# Altium PCB FULL_CB_REV_C.PcbDoc (part 2 of 2)
Units mm, origin at the board's own origin, x right, y up, seen from the top; angles counter-clockwise.
Board outline 86.1 x 38.5 mm, 4 copper layers (Top Layer, Signal Layer 2, Signal Layer 1, Bottom Layer), stack 1.643 mm thick; 38 components, 86 nets, 243 pads, 188 vias.
Unrouted connection lines stored in the file: 41.
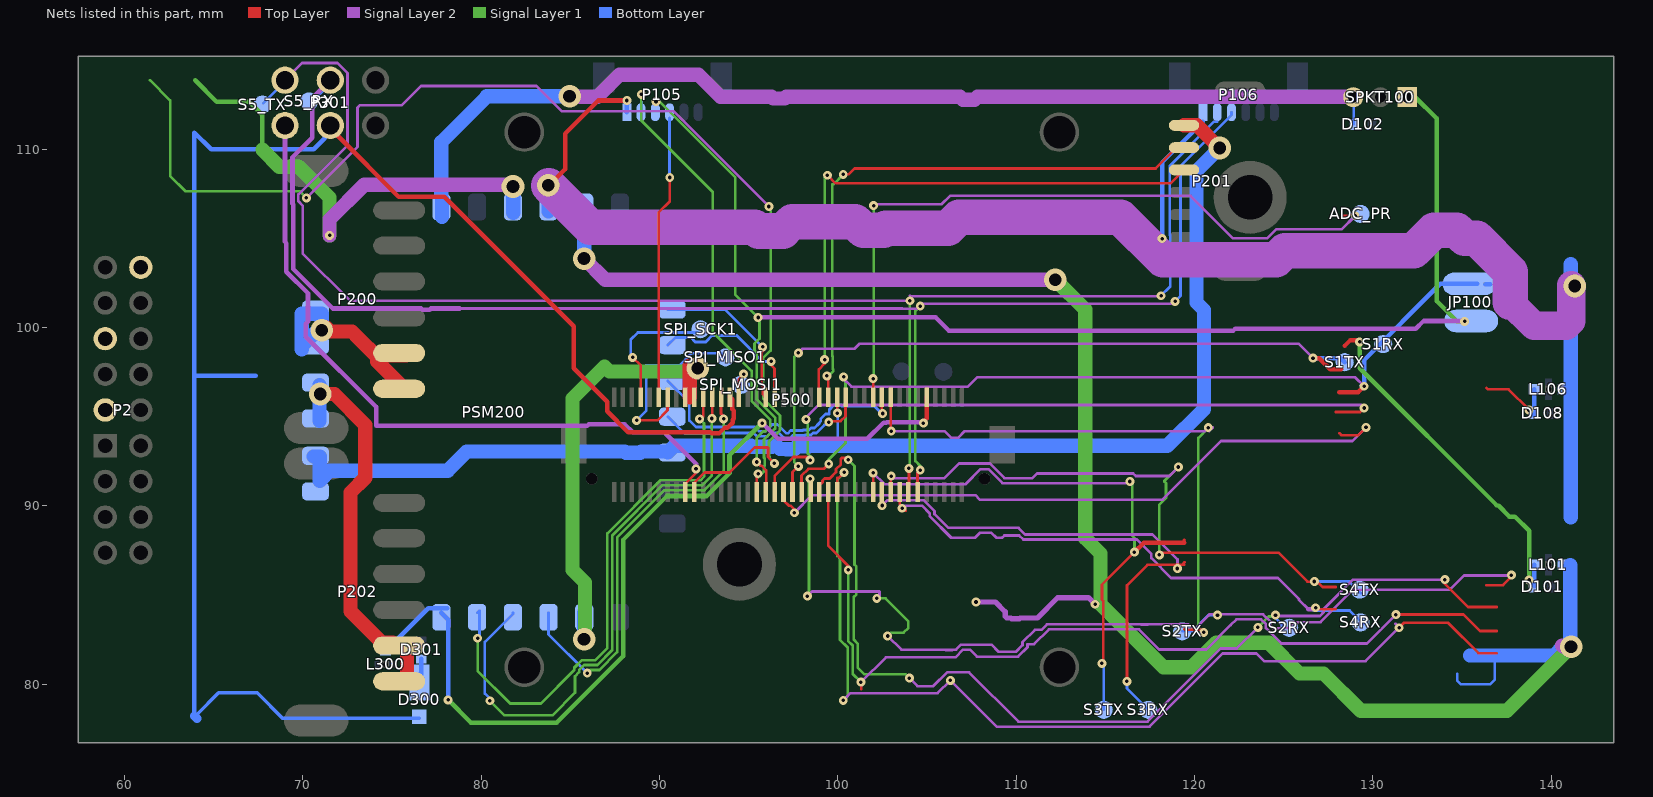
[diagram p4: the nets of this part, all layers, seen from the top]

## Via types
v1: diameter 0.5, hole 0.2, Top Layer to Bottom Layer, tented both sides, 173 vias
v2: diameter 1.27, hole 0.711, Top Layer to Bottom Layer, tented both sides, 14 vias
v3: diameter 0.5, hole 0.2, Top Layer to Bottom Layer, 1 vias

## Nets (pads, with @x,y where several pads share a name; then routed paths per layer and width w, separated by ;. In a path a pad name is that pad's centre, name@x,y a point inside that pad or via, vN(x,y) a via of type N, cw(c..) or ccw(c..) an arc to the next point about the centre after c; other vN are vias at no path point) (continued)
IO-SWDIO: P105.4 P500.69 | length 16.1
  Top Layer w0.152: P500.69@89.956,96.088 89.956,106.441 90.576,107.062 v1(90.576,108.407)
  Bottom Layer w0.152: P105.4@90.57,111.741 90.57,108.502 90.475,108.407 v1(90.576,108.407)
IO-USART1_RX_SPECTRUM_DSM: JP100.1 P105.3 P500.48 SPKT100.1 | length 80.6
  Top Layer w0.15: P500.48@95.456,90.771 95.456,91.722 v1(95.529,91.796)
  Signal Layer 2 w0.254: v1(95.529,100.559) 105.485,100.559 106.217,99.826 122.181,99.826 122.276,99.921 132.402,99.921 ; 132.402,99.928 132.837,100.362 v1@135.14,100.362
  Signal Layer 1 w0.15: v1@89.784,112.662 90.005,112.662 94.259,108.407 94.259,101.829 v1(95.529,100.559) ; v1(95.529,91.796) 95.504,91.821 95.504,91.567 95.862,91.925 95.862,92.226 95.905,92.269 95.905,92.643 95.862,92.686 95.862,93.713 96.487,94.338 96.487,94.942 95.458,95.971 95.458,98.593 95.331,98.72 95.331,99.095 95.606,99.369 v1@95.606,100.635
  Signal Layer 1 w0.254: SPKT100.1@131.924,112.909 132.379,112.909 133.573,111.716 133.573,101.479 134.711,100.341 v1(135.14,100.341)
  other v1: 89.809,112.662
IO-USART1_TX: P105.2 P500.46 | length 26.7
  Top Layer w0.15: v1(95.453,92.456) 95.662,92.248 95.717,92.248 95.981,91.983 95.981,90.797 P500.46@95.956,90.771
  Signal Layer 1 w0.15: v1(88.984,113.062) 88.984,111.587 92.989,107.582 92.989,99.75 95.169,97.571 95.169,95.869 96.21,94.828 96.21,94.453 95.945,94.188 95.828,94.188 95.453,93.814 v1(95.453,92.456)
  Bottom Layer w0.15: P105.2@89.009,112.212 v1@89.009,113.008
NetD101_C: D101.C L101.P$2 | length 19.6
  Top Layer w0.254: 128.409,98.962 128.718,99.27 129.153,99.27 129.23,99.193 v1(129.255,99.193)
  Signal Layer 1 w0.254: v1(129.255,99.193) 129.255,97.716 136.927,90.044 ; 137.046,90.001 137.649,89.398 137.957,89.398 138.755,88.6 v1(138.755,85.841)
  Bottom Layer w0.254: D101.C@139.034,85.503 L101.P$2@139.034,86.697
NetD108_C: D108.C L106.P$2 | length 4.7
  Top Layer w0.152: 136.37,96.603 136.442,96.531 137.604,96.531 v1@138.747,95.388
  Bottom Layer w0.254: v1(138.747,95.363) 139.034,95.076 L106.P$2@139.034,96.534
NetD300_CATHODE: D300.CATHODE D301.C L300.P$1 | length 3.4
  Bottom Layer w0.254: L300.P$1@74.641,80.315 76.323,80.315 D300.CATHODE@76.546,80.092 76.648,80.193 D301.C@76.648,81.415
OTG_DM1: P201.3 P500.33 | length 33.3
  Top Layer w0.15: P500.33@98.958,96.088 98.938,96.108 98.938,97.643 99.263,97.968 v1(99.263,98.196) ; v1(99.416,108.534) 99.873,108.077 118.656,108.077 P201.3@119.409,108.829
  Signal Layer 1 w0.15: v1(99.263,98.196) 99.263,108.506 99.235,108.534 v1(99.416,108.534)
OTG_DP1: P201.2 P500.31 | length 32.9
  Top Layer w0.15: v1(99.39,97.282) 99.339,97.282 99.289,97.231 99.466,97.053 P500.31@99.466,96.088 ; v1(100.305,108.585) 100.609,108.585 100.94,108.915 117.822,108.915 118.986,110.079 P201.2@119.409,110.079
  Signal Layer 1 w0.15: v1(99.39,97.282) 99.466,97.282 99.746,97.561 99.746,97.638 99.715,97.668 99.715,98.384 99.695,98.404 99.695,108.026 99.746,108.026 v1(100.305,108.585)
PPM-SBUS-PROT: P2.15 P500.62 | length 68.6
  Top Layer w0.15: P500.62@91.956,90.771 91.956,91.295 92.532,91.872 93.935,91.872 95.332,93.269 96.087,93.269 96.087,92.737 v1(96.444,92.38)
  Signal Layer 2 w0.15: v1(70.209,107.262) 73.073,110.126 73.073,112.316 73.221,112.464 75.562,112.464 76.636,113.538 83.109,113.538 84.531,112.116 90.805,112.116 v1(96.139,106.782) v1@96.139,106.832
  Signal Layer 1 w0.15: 61.429,113.862 62.571,112.72 62.571,108.485 63.416,107.64 69.831,107.64 v1(70.209,107.262) ; v1(96.139,106.782) 96.235,106.685 96.235,98.703 95.814,98.282 95.814,96.007 96.764,95.057 96.764,94.224 96.139,93.599 96.139,92.801 96.182,92.758 96.182,92.641 v1(96.444,92.38)
PRESSURE_SENS_IN: ADC_PR.P$1 P1.3 P500.21 | length 40.2
  Top Layer w0.15: P500.21@101.981,96.088 v1(101.981,97.13) ; 128.309,106.262 v1@128.879,106.262
  Signal Layer 2 w0.15: v1(102.006,106.832) 102.006,106.858 101.956,106.909 105.827,106.909 106.298,107.379 119.776,107.379 122.162,104.993 124.065,104.993 124.574,105.501 128.248,105.501 v1(129.009,106.262)
  Signal Layer 1 w0.15: v1(101.981,97.13) 102.006,97.155 v1(102.006,106.832)
RX_5V0_OUT: P2.18 PSM200.RX | length 27
  Signal Layer 2 w0.8: v1(71.509,105.162) 71.509,106.053 73.457,108.001 81.686,108.001 v2(81.788,107.899)
  Signal Layer 1 w0.254: 63.969,113.862 65.169,112.662 67.009,112.662 67.742,111.929 67.742,109.957
  Signal Layer 1 w0.8: 67.742,109.957 68.684,109.015 69.776,109.015 71.509,107.281 v1(71.509,105.162)
  Bottom Layer w0.8: PSM200.RX@81.809,106.437 v2@81.809,107.899
S.BUS_OUT: P301.1 P500.64 | length 39.8
  Top Layer w0.15: P500.64@91.456,90.771 91.456,91.243 92.05,91.836 v1(92.05,92.075)
  Signal Layer 2 w0.254: P301.1@69.009,111.322 69.009,104.794 69.088,104.715 69.088,103.119 70.298,101.909 70.298,100.333 70.18,100.216 70.18,99.479 74.117,95.542 74.117,94.488 85.95,94.488 86.048,94.586 88.044,94.586 88.497,94.132 90.272,94.132 92.05,92.354 v1(92.05,92.075)
SAFETY: P500.17 | length 33.9
  Top Layer w0.15: P500.17@102.972,96.088 102.972,94.209 102.946,94.183 v1(102.997,94.183) ; 119.435,83.083 119.46,83.058 120.515,83.058 v1(120.515,82.906)
  Signal Layer 2 w0.15: v1(102.997,94.183) 105.99,94.183 106.366,93.807 106.74,93.807 107.116,94.183 120.566,94.183 v1(120.769,94.386) 121.023,94.386 v1@120.82,94.183
  Signal Layer 1 w0.15: v1(120.515,82.906) 120.515,83.058 120.439,82.982 120.211,83.209 120.211,93.803 120.794,94.386 v1(120.769,94.386)
SERIAL1_CTS: P500.44 | length 38.8
  Top Layer w0.15: P500.44@96.456,90.771 96.456,91.681 97.511,92.735 98.273,92.735 v1(98.45,92.558) ; 127.909,95.262 129.286,95.262 v1(129.509,95.485)
  Signal Layer 2 w0.15: v1(98.222,94.844) 98.222,94.945 98.928,95.651 v1@129.343,95.651
  Signal Layer 1 w0.15: v1(98.222,94.844) 98.321,94.744 98.321,92.92 v1@98.478,92.763
SERIAL1_RTS: P500.42 | length 37.4
  Top Layer w0.15: P500.42@96.956,90.771 96.956,90.304 97.249,90.01 97.34,90.01 97.561,89.789 v1(97.561,89.611) ; 128.117,94.069 128.224,93.962 129.18,93.962 v1(129.611,94.393)
  Signal Layer 2 w0.15: v1(97.561,89.611) 98.544,90.594 107.708,90.594 107.954,90.348 118.203,90.348 121.485,93.629 128.47,93.629 ; 128.476,93.636 128.854,93.636 v1(129.611,94.393)
SERIAL1_RX: JP100.2 P500.38 S1RX.P$1 | length 49.5
  Top Layer w0.15: P500.38@97.968,90.771 97.968,91.694 98.349,92.075 99.212,92.075 v1(99.492,92.354)
  Top Layer w0.254: 128.109,96.362 129.167,96.362 v1(129.509,96.704)
  Signal Layer 2 w0.15: v1(100.33,97.231) 100.305,97.206 100.305,97.13 100.757,96.678 107.291,96.678 107.814,97.201 126.523,97.201 ; 126.529,97.207 129.006,97.207 v1(129.509,96.704)
  Signal Layer 1 w0.15: v1(99.492,92.354) 99.492,92.588 100.426,93.522 100.426,97.135 v1(100.33,97.231)
  Bottom Layer w0.254: v1@129.382,96.755 129.433,96.704 v1(129.509,96.704) 129.509,98.177 133.776,102.445 JP100.2@135.859,102.445 ; JP100.2@136.308,102.424 JP100.2@136.588,102.424
SERIAL1_TX: P500.40 S1TX.P$1 | length 41.3
  Top Layer w0.15: P500.40@97.46,90.771 97.46,91.885 v1(97.79,92.215) v1@97.79,92.304
  Top Layer w0.254: v1(126.639,98.279) 126.992,98.279 127.609,97.662 128.209,97.662
  Signal Layer 2 w0.15: v1(97.79,98.577) 98.019,98.806 100.94,98.806 101.219,99.085 123.342,99.085 ; 123.349,99.092 125.826,99.092 v1(126.639,98.279)
  Signal Layer 1 w0.15: v1(97.79,92.215) 97.567,92.438 97.567,98.354 v1(97.79,98.577) v1@97.815,98.577
  Bottom Layer w0.254: v1(126.639,98.279) 128.188,98.279 S1TX.P$1@128.417,98.05
SERIAL2_CTS: P500.32 | length 52
  Top Layer w0.15: P500.32@99.466,90.771 99.466,87.757 100.584,86.639 v1(100.584,86.411) ; v1(101.295,80.112) 101.309,80.098 101.309,79.712 ; v1(131.287,83.903) 135.08,83.903 136.001,82.982 136.942,82.982
  Signal Layer 2 w0.15: v1(101.295,80.112) 102.692,81.509 106.6,81.509 107.026,81.935 107.401,81.935 107.794,81.542 110.106,81.542 110.635,82.07 110.635,82.246 111.002,82.246 111.83,83.075 116.884,83.075 118.014,81.946 120.662,81.946 122.027,83.31 122.027,83.321 122.342,83.637 123.733,83.637 123.998,83.372 123.998,83.146 124.861,82.282 129.667,82.282 v1(131.287,83.903)
  Signal Layer 1 w0.15: v1(100.584,86.411) 100.584,82.413 100.838,82.158 100.838,80.569 v1(101.295,80.112)
SERIAL2_RTS: P500.30 | length 56.7
  Top Layer w0.15: P500.30@99.974,90.771 99.974,91.567 100.051,91.567 v1(100.355,91.872) ; v1@106.316,80.105 v1(106.316,80.214) ; v1(131.465,83.166) 131.744,83.445 134.212,83.445 135.92,81.737 136.942,81.737
  Signal Layer 2 w0.15: v1(100.305,79.096) 100.706,79.497 105.599,79.497 v1(106.316,80.214) 108.907,77.622 117.47,77.622 121.57,81.723 123.473,81.723 123.904,81.292 129.591,81.292 v1(131.465,83.166) 131.478,83.179 131.262,83.395
  Signal Layer 1 w0.15: v1(100.305,79.096) 100.561,79.352 100.561,82.044 100.122,82.483 100.122,87.03 99.974,87.177 99.974,91.516 100,91.516 v1(100.355,91.872)
SERIAL2_RX: P500.34 S2RX.P$1 | length 57.9
  Top Layer w0.15: P500.34@98.958,90.771 98.958,91.135 99.137,91.314 99.137,91.414 99.256,91.532 99.548,91.532 99.903,91.888 99.903,92.059 100.167,92.323 100.167,92.623 100.228,92.685 100.482,92.685 v1(100.584,92.583) ; v1@133.903,85.757 135.336,84.324 136.942,84.324
  Signal Layer 2 w0.15: v1(104.013,80.34) 104.465,79.888 105.351,79.888 106.128,80.666 107.358,80.666 110.122,77.902 117.357,77.902 121.455,82 122.36,82 v1(123.546,83.185) ; v1@124.68,83.82 127.018,83.82 ; 127.024,83.826 127.243,84.046 127.243,84.209 128.893,85.858 v1(134.03,85.858)
  Signal Layer 1 w0.15: v1(100.584,92.583) 100.934,92.233 100.934,86.7 101.036,86.598 101.036,85.038 100.894,84.896 100.894,82.494 101.115,82.273 101.115,80.927 101.478,80.564 103.79,80.564 v1(104.013,80.34) ; v1(123.546,83.185) 124.155,83.795 124.46,83.795 v1(124.536,83.871)
  Bottom Layer w0.15: v1(124.536,83.871) 124.511,83.845 124.503,83.845 124.452,83.795 125.084,83.162 S2RX.P$1@125.309,83.162
SERIAL2_TX: P500.36 S2TX.P$1 | length 57.8
  Top Layer w0.15: v1@102.757,82.666 v1(102.794,82.702) ; 136.37,85.554 137.294,85.554 v1@137.798,86.058
  Signal Layer 2 w0.15: v1(98.298,84.938) 98.552,85.192 102.337,85.192 102.337,84.963 v1(102.184,84.811) ; v1(102.794,82.702) 103.561,81.935 106.021,81.935 106.036,81.92 106.41,81.92 106.425,81.935 106.634,81.935 106.911,82.212 108.614,82.212 109.007,81.819 109.991,81.819 110.358,82.185 110.358,82.361 111.043,83.046 111.41,83.046 111.716,83.352 116.999,83.352 117.008,83.343 117.383,83.343 117.392,83.352 119.637,83.352 119.956,83.033 120.837,83.914 123.848,83.914 124.275,83.487 124.275,83.261 124.401,83.134 125.214,83.134 125.552,83.472 125.929,83.472 ; 125.935,83.478 127.068,83.478 128.889,85.3 134.31,85.3 135.123,86.112 ; 135.123,86.092 v1@137.764,86.092
  Signal Layer 1 w0.15: v1(98.298,84.938) 98.298,84.981 98.382,85.065 v1@98.382,91.516 ; v1(102.184,84.811) 102.671,84.811 103.957,83.525 103.957,83.15 103.692,82.885 102.977,82.885 v1(102.794,82.702)
  Bottom Layer w0.15: S2TX.P$1@119.309,82.962 119.885,82.962 120.794,83.871 v1(121.285,83.871)
  other v1: 137.764,86.112 98.45,91.516
SERIAL3_RX: P500.20 S3RX.P$1 | length 30
  Top Layer w0.15: v1(116.209,80.162) 116.209,85.538 117.358,86.687 119.284,86.687 ; 119.409,86.687 119.284,86.687 ; 119.435,86.838 119.284,86.687
  Signal Layer 2 w0.15: v1(102.489,90.018) 102.789,90.317 104.806,90.317 105.425,89.698 105.425,89.536 106.198,88.763 110.134,88.763 110.505,88.392 117.645,88.392 119.042,86.996 v1(119.042,86.487)
  Bottom Layer w0.15: v1(116.209,80.162) 116.209,79.762 S3RX.P$1@117.409,78.562
SERIAL3_TX: P500.22 S3TX.P$1 | length 33.5
  Top Layer w0.15: P500.22@101.981,90.771 101.981,91.821 101.956,91.846 v1(101.981,91.846) ; v1(114.809,81.162) 114.879,81.232 114.879,84.668 114.809,84.738 114.809,85.582 v1(116.629,87.401) ; 119.409,88.088 119.435,88.088
  Top Layer w0.254: v1(116.629,87.401) 117.164,87.937 119.409,87.937
  Signal Layer 2 w0.15: v1@101.93,91.846 v1(101.981,91.846) 102.611,91.217 107.172,91.217 108.009,92.053 108.45,92.053 109.233,91.27 116.281,91.27 v1(116.375,91.364)
  Signal Layer 1 w0.15: v1(116.375,91.364) 116.451,91.44 116.502,91.44 116.502,88.326 116.629,88.199 v1(116.629,87.401)
  Bottom Layer w0.15: v1(114.809,81.162) 114.909,81.062 S3TX.P$1@114.909,78.562
SERIAL4_RX: P500.16 S4RX.P$1 | length 32.2
  Top Layer w0.15: P500.16@103.48,90.771 103.48,90.068 v1@103.81,89.738 ; v1(103.607,89.865) v1@103.734,89.738 ; 127.92,84.197 126.878,84.197 v1(126.791,84.284) ; v1(126.791,84.284) 126.791,84.233 126.766,84.207 126.766,84.258 v1(126.791,84.284)
  Signal Layer 2 w0.15: v1(103.607,89.865) 103.751,90.01 104.721,90.01 105.148,89.583 105.148,89.421 106.361,88.209 107.68,88.209 107.957,88.486 108.608,88.486 108.885,88.209 109.211,88.209 109.338,88.336 110.169,88.336 110.398,88.107 116.761,88.107 117.574,87.295 117.574,87.062 118.682,85.954 124.667,85.954 125.852,84.769 125.852,84.731 126.382,84.201 ; v1@126.766,84.207 126.791,84.233 v1(126.791,84.284)
  Signal Layer 2 w0.254: 126.382,84.201 v1@126.709,84.201
  Bottom Layer w0.15: v1(126.791,84.284) 126.791,84.233 126.69,84.131 128.696,84.131 S4RX.P$1@129.458,83.369
SERIAL4_TX: P500.18 S4TX.P$1 | length 37.3
  Top Layer w0.15: P500.18@102.972,90.771 102.972,91.643 v1(102.997,91.669) ; v1(118.026,87.249) 118.153,87.376 124.706,87.376 126.331,85.75 v1@126.709,85.75 ; v1@126.791,85.833 127.177,85.447 127.92,85.447
  Signal Layer 2 w0.15: v1(102.997,91.669) 103.119,91.547 105.97,91.547 106.798,92.375 108.52,92.375 109.348,91.547 110.906,91.547 111.175,91.816 116.562,91.816 116.709,91.669 118.584,91.669 v1(119.092,92.177)
  Signal Layer 1 w0.15: v1(118.026,87.249) 118.026,90.068 118.397,90.439 118.397,91.272 118.292,91.377 v1(119.092,92.177)
  Bottom Layer w0.15: v1@126.639,85.833 v1(126.715,85.757) 128.671,85.757 S4TX.P$1@129.331,85.096
SERIAL5_RX: P106.3 P301.4 P500.12 S5_RX.P$1 | length 86.5
  Top Layer w0.15: P500.12@104.47,90.771 104.47,91.846 v1(104.623,91.999)
  Signal Layer 2 w0.15: 78.809,101.062 103.609,101.062 103.625,101.046 104.475,101.046 v1(104.623,101.194) 104.75,101.321 v1@118.909,101.321
  Signal Layer 2 w0.254: P301.4@71.549,113.862 70.533,112.846 70.533,110.64 69.428,109.535 69.428,106.939 69.469,106.898 69.469,103.276 71.683,101.062 76.633,101.062 76.7,100.994 77.118,100.994 77.186,101.062 78.809,101.062
  Signal Layer 1 w0.15: v1(104.623,91.999) 104.623,92.227 104.348,92.502 104.348,100.919 v1(104.623,101.194)
  Bottom Layer w0.15: S5_RX.P$1@70.51,112.649 P301.4@71.825,113.964 ; v1(118.909,101.462) 119.209,101.762 119.209,109.047 122.071,111.909 P106.3@122.071,112.062
SERIAL5_TX: P106.2 P301.2 P500.14 S5_TX.P$1 | length 88.6
  Top Layer w0.15: P500.14@103.962,90.771 103.988,90.797 v1(103.988,92.1)
  Signal Layer 2 w0.15: P301.2@69.009,113.862 69.973,114.826 71.948,114.826 72.513,114.261 72.513,110.205 69.757,107.449 69.757,107.075 70.002,106.83 70.002,104.14 72.644,101.498 v1(104.038,101.498) 104.038,101.778 104.064,101.752 v1@118.102,101.752
  Signal Layer 1 w0.15: v1@104.038,92.075 v1(104.038,101.498)
  Bottom Layer w0.15: S5_TX.P$1@67.793,112.573 P301.2@68.98,113.76 ; v1(118.127,101.778) 118.63,102.281 118.63,105.165 118.609,105.186 118.609,109.062 121.085,111.538 121.271,111.538
SPI_EXT_MISO: P500.67 SPI_MISO1.P$1 | length 10.8
  Top Layer w0.152: v1(88.722,94.793) 89.891,94.793 90.456,95.358 P500.67@90.456,96.088
  Bottom Layer w0.152: v1(88.722,94.793) 89.256,95.326 89.256,97.866 91.118,97.866 91.804,98.552 93.472,98.552 SPI_MISO1.P$1@93.701,98.323
SPI_EXT_MOSI: P500.51 SPI_MOSI1.P$1 | length 1.4
  Top Layer w0.152: P500.51@94.456,96.088 94.456,97.097 94.717,97.358 v1(94.717,97.384)
SPI_EXT_SCK: P500.73 SPI_SCK1.P$1 | length 7.6
  Top Layer w0.15: v1(88.494,98.323) 88.956,97.861 P500.73@88.956,96.088
  Bottom Layer w0.15: v1(88.494,98.323) 88.468,98.298 88.392,98.298 88.392,99.314 88.792,99.714 92.12,99.714 SPI_SCK1.P$1@92.208,99.626
V\B\U\S\_\V\A\L\I\D\: P500.59 PSM200.!VBUS_VALID | length 30.8
  Top Layer w0.15: v1@92.329,94.869 92.456,94.996 P500.59@92.456,96.088
  Signal Layer 1 w0.15: v1(79.807,82.575) 79.807,80.747 81.636,78.918 83.353,78.918 85.225,80.79 85.225,80.922 85.652,81.349 86.403,81.349 87.077,82.023 87.077,88.453 90.058,91.434 92.293,91.434 92.502,91.642 92.502,94.62 v1(92.253,94.869)
  Bottom Layer w0.15: PSM200.!VBUS_VALID@79.781,83.998 79.908,84.125 v1@79.908,82.499
V\D\D\_\5\V\_\H\I\P\O\W\E\R\_\O\C\: P500.45 PSM200.!VDD_5V_HIPOWER_OC | length 9.2
  Top Layer w0.152: v1(95.783,98.908) 95.91,98.781 95.733,98.603 95.733,96.785 95.786,96.731 95.786,96.258 P500.45@95.956,96.088
  Bottom Layer w0.152: PSM200.!VDD_5V_HIPOWER_OC@90.467,101.004 93.687,101.004 v1(95.783,98.908)
V\D\D\_\5\V\_\P\E\R\I\P\H\_\E\N\: P500.27 PSM200.!VDD_5V_PERIPH_EN | length 12.2
  Top Layer w0.152: v1(99.492,94.691) 99.547,94.746 100.162,94.746 100.428,95.011 100.428,96.059 P500.27@100.457,96.088
  Bottom Layer w0.152: PSM200.!VDD_5V_PERIPH_EN@90.467,94.996 91.382,94.082 95.281,94.082 95.455,93.908 96.061,93.908 96.235,94.082 96.709,94.082 97.005,93.785 97.32,93.785 97.472,93.938 98.145,93.938 98.181,93.974 98.503,93.974 98.611,94.082 98.806,94.082 99.238,94.513 99.238,94.539 99.339,94.539 v1(99.492,94.691)
V\D\D\_\5\V\_\P\E\R\I\P\H\_\O\C\: P500.43 PSM200.!VDD_5V_PERIPH_OC | length 8.9
  Top Layer w0.152: v1(96.266,98.095) 96.266,97.892 96.456,97.702 P500.43@96.456,96.088
  Bottom Layer w0.152: PSM200.!VDD_5V_PERIPH_OC@90.467,99.004 90.899,99.436 91.76,99.436 92.009,99.187 92.598,99.187 92.954,99.543 94.336,99.543 95.783,98.095 v1(96.266,98.095)
V\D\D\_\B\A\C\K\U\P\_\V\A\L\I\D\: P500.57 PSM200.!VDD_BACKUP_VALID | length 32.8
  Top Layer w0.15: v1@92.913,94.894 92.956,94.937 P500.57@92.956,96.088
  Signal Layer 1 w0.15: v1(80.493,79.07) 81.305,78.257 83.998,78.257 85.268,79.527 85.268,80.441 85.502,80.675 85.502,80.807 85.766,81.072 86.518,81.072 87.354,81.908 87.354,88.338 90.173,91.157 92.408,91.157 92.939,91.687 v1(92.939,94.894)
  Bottom Layer w0.15: v1@80.556,79.134 80.213,79.477 80.213,82.372 81.788,83.947 81.788,84.001 PSM200.!VDD_BACKUP_VALID@81.785,83.998
V\D\D\_\B\R\I\C\K\_\V\A\L\I\D\: P500.55 PSM200.!VDD_BRICK_VALID | length 24.8
  Top Layer w0.15: P500.55@93.456,96.088 93.456,95.165 93.624,94.996 93.497,94.869 v1@93.497,94.742
  Signal Layer 1 w0.15: v1(85.954,80.62) 86.129,80.795 86.633,80.795 87.631,81.793 87.631,88.223 90.288,90.88 92.523,90.88 93.599,91.956 v1(93.599,94.869)
  Bottom Layer w0.15: PSM200.!VDD_BRICK_VALID@83.785,83.998 83.785,82.789 v1(85.954,80.62)
VBUS: P201.1 P500.29 PSM200.VBUS PSM200.VDD_VBUS | length 73.9
  Top Layer w0.15: P500.29@99.974,96.088 v1(99.974,95.199) v1@100,95.174
  Top Layer w0.8: P201.1@119.409,111.329 120.133,111.329 v2(121.404,110.058)
  Bottom Layer w0.15: 100,93.37 v1@100,95.174
  Bottom Layer w0.8: PSM200.VDD_VBUS@70.612,92.761 70.958,92.761 70.958,91.405 71.526,91.973 78.13,91.973 79.197,93.04 88.055,93.04 88.121,92.974 88.917,92.974 88.983,93.04 90.416,93.04 90.467,92.989 90.848,93.37 95.139,93.37 95.205,93.305 96.311,93.305 96.377,93.37 96.567,93.37 96.755,93.182 97.121,93.182 97.13,93.174 97.561,93.174 97.722,93.335 98.395,93.335 98.431,93.37 116.383,93.37 ; 116.309,93.362 118.474,93.362 120.529,95.417 120.529,100.98 120.109,101.4 120.109,108.764 v2(121.404,110.058)
VDD_3V3_SPEKTRUM: D102.C PSM200.SPEK SPKT100.3 | length 59
  Signal Layer 2 w0.8: v2@84.861,112.928 86.526,112.928 87.759,114.162 92.195,114.162 93.429,112.928 96.285,112.928 96.376,112.837 97.02,112.837 97.111,112.928 106.851,112.928 107.019,112.761 107.662,112.761 107.83,112.928 SPKT100.3@128.9,112.928 ; SPKT100.3@128.874,112.935 SPKT100.3@128.9,112.909
  Bottom Layer w0.15: SPKT100.3@128.9,112.909 128.933,112.876 D102.C@128.933,111.385
  Bottom Layer w0.8: 77.775,107.518 77.775,110.403 80.326,112.954 v2(84.963,112.954) ; PSM200.SPEK@77.809,106.198 PSM200.SPEK@77.809,107.212
VDD_3V3_SPEKTRUM_EN: P500.19 PSM200.VDD_3V3_SPEKTRUM_EN | length 16.2
  Top Layer w0.152: P500.19@102.464,96.088 102.464,95.225 v1(102.514,95.174)
  Bottom Layer w0.152: PSM200.VDD_3V3_SPEKTRUM_EN@90.467,97.004 91.674,95.797 91.674,94.788 92.046,94.416 95.342,94.416 95.57,94.187 95.946,94.187 96.323,94.564 96.622,94.564 97.121,94.065 97.204,94.065 97.357,94.217 98.029,94.217 98.065,94.253 98.387,94.253 98.495,94.361 98.69,94.361 98.958,94.629 98.958,94.655 99.039,94.735 99.039,94.879 99.304,95.144 99.521,95.144 99.521,95.387 99.787,95.652 100.162,95.652 100.231,95.583 102.054,95.583 102.464,95.174 v1(102.514,95.174)
VDD_5V_BACKUP: P202.1 P202.2 PSM200.VDD_5V_BACKUP | length 21
  Top Layer w0.8: v2(70.993,96.266) 71.777,96.266 73.508,94.536 73.508,91.567 72.685,90.745 72.685,84.086 74.437,82.334 P202.2@75.035,82.334 ; P202.2@75.759,82.017 75.852,81.924 P202.1@75.852,80.141
  Bottom Layer w0.8: PSM200.VDD_5V_BACKUP@70.942,94.767 PSM200.VDD_5V_BACKUP@70.942,96.774
VDD_5V_BRICK: P200.1 P200.2 PSM200.VDD_BRICK_IN | length 14.6
  Top Layer w0.8: v2@71.323,100 71.552,99.771 72.762,99.771 73.092,99.441 ; P200.1@75.801,96.469 74.175,98.095 74.175,98.358 73.092,99.441 ; P200.2@75.801,98.425 74.108,98.425 73.092,99.441
  Bottom Layer w0.8: 69.942,98.774 69.942,100.774 71.069,100.774 71.069,100.084 69.942,98.957
  other v2: 71.069,99.847
VDD_5V_HIPOWER: L101.P$1 P1.2 PSM200.5V_HIPOWER | length 101.8
  Signal Layer 2 w0.3: v1(107.747,84.608) 108.833,84.608 109.389,84.051 109.389,83.803 109.48,83.712 109.7,83.712 109.738,83.674 110.175,83.674 110.213,83.712 111.187,83.712 112.329,84.855 114.052,84.855 v1(114.427,84.48)
  Signal Layer 2 w0.8: v2(85.776,103.861) 86.958,102.678 v2(112.192,102.678) ; v2@140.609,82.175 v2@140.66,82.125
  Signal Layer 1 w0.8: v2(112.192,102.678) 113.868,101.002 113.868,88.182 ; 113.868,88.189 114.732,87.325 114.732,84.48 118.262,80.95 119.837,80.95 121.209,82.321 124.155,82.321 125.882,80.594 127.229,80.594 129.311,78.511 137.516,78.511 v2(141.109,82.104)
  Bottom Layer w0.15: v1@107.747,84.531 v1(107.747,84.608) ; 134.72,80.573 134.72,80.216 134.945,79.991 136.57,79.991 136.824,80.245 136.824,81.159
  Bottom Layer w0.8: v2(85.776,103.861) 85.776,103.988 85.785,103.997 PSM200.5V_HIPOWER@85.785,106.504 ; 135.445,81.612 140.147,81.612 v2@140.66,82.125 ; v2@141.058,82.155 141.058,86.662
VDD_5V_IN_PROT: P500.61 P500.63 PSM200.VDD_5V_IN_PROT | length 27.1
  Top Layer w0.15: P500.63@91.456,96.088 91.706,96.088 ; v2@91.706,97.866 91.542,98.03 91.542,97.892 91.897,97.536 v2@92.659,97.536
  Top Layer w0.8: 91.706,96.088 v2@91.706,97.866
  Signal Layer 1 w0.8: v2@85.827,82.321 85.827,85.7 85.126,86.4 85.126,96.022 86.919,97.815 87.198,97.536 91.973,97.536 v2(92.151,97.714)
  Bottom Layer w0.8: v2@85.785,82.525 PSM200.VDD_5V_IN_PROT@85.785,83.998
  other v2: 85.776,82.525
VDD_5V_PERIPH: L106.P$1 P1.1 P105.1 P106.1 PSM200.5V_PERIPH | length 97.5
  Top Layer w0.254: v2@83.795,107.95 84.709,108.865 84.709,110.862 86.57,112.723 v1(88.17,112.723)
  Signal Layer 2 w1.6: 137.7,101.42 139.034,100.086 140.833,100.086 141.109,100.362 v2@141.109,102.362
  Signal Layer 2 w2: v2@83.795,107.95 86.122,105.623 95.351,105.623 95.569,105.405 96.929,105.405 97.448,105.923 100.968,105.923 101.436,105.455 102.577,105.455 102.683,105.562 106.18,105.562 106.795,106.177 115.844,106.177 118.231,103.791 124.563,103.791 125.072,104.299 132.28,104.299 133.428,105.447 134.702,105.447 135.155,104.995 135.812,104.995 137.7,103.107 137.7,101.42
  Bottom Layer w0.254: P105.1@88.17,112.062 v1(88.17,112.723) ; v1(118.178,104.978) 118.178,109.245 120.471,111.538
  Bottom Layer w0.8: PSM200.5V_PERIPH@83.785,106.504 v2@83.785,108.062 ; 141.096,89.362 141.096,103.542
  other v2: 141.312,102.323 83.769,107.975
VDD_SERVO: D300.ANODE P2.16 P301.3 P500.53 | length 91.5
  Top Layer w0.254: P301.3@71.965,110.738 75.374,107.328 77.94,107.328 85.193,100.075 85.193,97.714 87.075,95.832 87.075,95.293 88.24,94.128 92.864,94.128 92.936,94.056 93.341,94.056 93.649,94.365 93.808,94.365 94.103,94.66 94.103,94.819 94.158,94.873 94.158,95.341 94.075,95.424 94.075,95.969 P500.53@93.956,96.088
  Bottom Layer w0.2: 64.067,78.08 64.067,78.294 65.284,79.512 67.459,79.512 68.892,78.08 D300.ANODE@76.546,78.08
  Bottom Layer w0.254: 63.922,78.224 63.922,97.282 ; 67.368,97.282 63.922,97.282 ; P301.3@71.568,111.303 71.238,110.973 71.238,110.601 70.619,109.982 64.866,109.982 63.922,110.925 63.922,97.282
  Bottom Layer w0.5: 63.922,78.224 64.067,78.08
VDD_SERVO_IN: L300.P$2 P500.9 PSM200.SERVO_IN | length 50.2
  Top Layer w0.254: v1(104.8,94.64) 104.8,94.717 104.978,94.894 P500.9@104.978,96.088
  Signal Layer 2 w0.254: v1(95.758,94.64) 96.647,93.751 101.651,93.751 102.569,94.67 102.723,94.67 102.741,94.687 104.754,94.687 v1(104.8,94.64)
  Signal Layer 1 w0.254: v1(78.156,79.121) 79.426,77.851 84.243,77.851 87.96,81.568 87.96,88.087 90.424,90.551 92.659,90.551 93.928,91.82 93.928,92.836 95.758,94.666 v1(95.758,94.64)
  Bottom Layer w0.254: L300.P$2@74.794,82.017 77.039,84.262 PSM200.SERVO_IN@78.109,84.262 ; PSM200.SERVO_IN@77.775,83.998 78.156,83.617 v1(78.156,79.121)
pads on no net: P1.4 P1.5 P1.6 P1.7 P1.9 P1.11 P1.13 P1.15 P1.17 P500.26 P500.65 P500.hole-1 P500.hole-2 PSM200.NC
copper on no net: | length 144.1
  Top Layer w0.15: 136.37,106.128 136.897,106.128 136.867,106.158
  Top Layer w0.152: 119.535,99.157 121.002,99.157 121.734,98.425 v1(121.734,98.247)
  Top Layer w0.2: v1@132.379,79.458 v1(134.386,79.458)
  Top Layer w0.254: 127.859,107.479 131.192,107.479 133.209,105.462 137.665,105.462 139.077,104.05 v1(139.077,103.008) ; 129.611,103.152 129.625,103.166 129.625,103.029 ; 129.625,102.666 131.07,101.22 132.243,102.394 135.921,102.394 ; 136.37,86.804 137.409,87.843 137.409,89.454 137.509,89.554 137.509,91.262 v1(137.909,91.662)
  Top Layer w0.8: 119.435,89.338 120.966,89.338 v2(121.048,89.256) ; 127.92,86.697 128.148,86.925 128.148,88.901 v2(128.409,89.162)
  Top Layer w1: v1(126.842,79.127) 128.976,79.127 129.535,79.686 129.535,83.801 130.525,84.792 v1(130.906,84.792)
  Signal Layer 2 w0.254: v1(121.734,98.247) 125.568,98.247 ; 125.574,98.254 125.952,98.254 126.51,97.695 137.967,97.695 ; 137.709,97.662 138.429,97.662 v1@138.607,97.484
  Bottom Layer w0.15: 132.727,84.766 133.218,84.766 133.22,84.769 ; 133.22,83.523 133.22,84.769 ; 133.37,82.048 133.62,81.798 ; 133.751,84.766 133.222,84.766 133.22,84.769 ; 135.445,82.798 136.349,82.798 137.485,83.934
  Bottom Layer w0.2: 134.22,80.573 134.22,79.624 v1(134.386,79.458)
  Bottom Layer w0.254: 133.72,80.573 133.72,81.798 133.97,82.048 134.22,82.298 134.22,83.523 ; v1(135.809,106.462) 135.809,106.362 135.75,106.362 135.495,106.107 138.327,103.275 138.327,101.726 139.153,100.9 ; v1@137.883,91.662 137.883,91.688 137.858,91.714 137.858,93.11 139.034,94.287 139.034,92.808 ; v1(138.62,97.497) 139.009,97.497 ; 138.983,102.297 139.153,102.467 139.153,103.643 ; 139.034,97.319 139.034,98.513 ; 139.034,99.706 139.034,100.9
  Bottom Layer w0.4: 133.72,83.523 134.22,83.523 134.72,83.523 134.72,84.734
  Bottom Layer w0.8: v2@120.87,89.281 120.896,89.256 v2(121.048,89.256) 126.216,89.256 127.709,87.762 136.809,87.762 137.509,88.462 139.057,88.462 ; v2@128.409,89.262 131.255,89.262 131.397,89.12 132.041,89.12 132.883,89.962 137.509,89.962 137.985,90.438 138.983,90.438 ; 139.034,90.887 139.034,91.794 ; 139.057,88.11 139.057,89.425
  Bottom Layer w1: 114.109,83.162 115.788,83.162 117.322,81.628 117.322,80.663 117.439,80.78 119.801,80.78 120.169,81.147 120.169,81.319 121.171,82.321 122.051,82.321 122.116,82.257 122.842,82.257 122.906,82.321 123.169,82.321 123.182,82.308 123.909,82.308 123.922,82.321 124.126,82.321 128.186,78.262 ; 128.569,78.268 128.569,79.064 128.992,78.641 128.992,78.416 129.458,78.882 ; v1(130.906,84.792) 130.918,84.78 131.706,84.78 131.719,84.766
  other v1: 132.354,79.483

## Polygon pours and split planes (outlines as drawn)
GND on Signal Layer 1 "Sig1_GND" (solid, remove dead copper, shelved, pour order 12): 20.327,65.3 107.5,65.3 108.6,64.2 109.9,62.9 109.9,22.7 20.046,22.7 20.046,35.408
GND on Signal Layer 2 "Sig_GND" (solid, remove dead copper, shelved, pour order 10): 22.1,65.2 22.7,65.8 110.1,65.8 110.1,23.9 109.7,23.5 109.2,23 19.5,23
GND on Bottom Layer "Top Layer-No Net" (solid, shelved, pour order 7): 95.58,31.217 95.58,32.487 96.368,32.487 96.723,32.842 96.73,32.893 96.73,33.731 97.152,34.087 101.314,34.087 101.676,33.782 101.676,33.045 101.435,32.842 99.339,32.842 99.492,32.366 98.356,31.23 97.206,31.217
GND on Bottom Layer "Bottom-GND" (solid, remove dead copper, shelved, pour order 11): 108.5,64.059 108.5,24.181 20.803,24.181 20.803,64.059
VDD_5V_HIPOWER on Bottom Layer "Top Layer-No Net" (solid, shelved, pour order 6): 104.5,28.949 100.004,28.949 99.623,29.33 99.623,30.981 100.9,30.969 101.757,31.768 102.036,32.353 104.365,32.353 104.5,32.251
GND on Bottom Layer "Top Layer-No Net" (solid, shelved, pour order 2): 104.014,26.354 104.014,28.276 98.496,28.276 98.441,28.336 98.414,28.366 98.414,30.858 97.567,30.858 97.567,30.257 97.512,30.257 97.457,30.197 97.676,29.957 97.676,26.444
no net on Bottom Layer "Top Layer-No Net" (solid, shelved, pour order 4): 97.2,28.2 97.2,26.355 97.272,26.285 97.224,26.238 90.693,26.238 90.693,27.546 90.931,27.78 96.199,27.78 96.199,28.247 96.175,28.27 96.199,28.247 97.176,28.247
no net on Bottom Layer "Top Layer-No Net" (solid, shelved, pour order 5): 97.357,30.917 97.357,29.621 96.997,29.266 91.771,29.266 91.617,29.418 91.617,30.891 91.72,30.993 97.28,30.993
VDD_SERVO on Bottom Layer "Top-VDD_SERVO" (solid, remove dead copper, shelved, pour order 9): 32.8,55 35,57.2 38.5,57.2 38.5,61 36.1,61 34.8,59.7 34.8,58.6 31.3,58.6 28.9,61 24.7,61 24.638,25.3 50.3,25.421 50.3,28.184 32.8,28.2
GND on Top Layer "Top-GND" (solid, remove dead copper, shelved, pour order 13): 21.339,64.059 108.4,64.059 108.4,24.435 21.473,24.435

## Keep-outs
Keep-Out Layer:
  lines w0.1: 59.909,76.712 59.909,115.212 143.509,115.212 143.509,76.712 59.909,76.712

## Silkscreen, mask and mechanical layers (free items; w line width, h text height)
Top Overlay:
  lines w0.1: 116.659,80.95 116.659,110.947
  lines w0.254: 78.159,80.467 78.159,111.455 ; 124.809,78.132 124.859,78.132
  text "rx" at 73.33,114.681 h0.5
  text "s" at 62.109,114.662 h0.5
  text "+" at 64.709,114.662 h0.5
  text "tx" at 68.326,114.605 h0.5
  text "+ - s" at 128.709,114.362 h0.7
  text "-" at 76.251,113.589 h0.7
  text "-" at 67.709,113.562 h0.7
  text "USB" at 119.009,111.962 h0.7 r90
  text "Spkt" at 126.909,111.262 h0.7 r90
  text "s" at 68.351,110.998 h0.7
  text "+" at 117.709,110.962 h0.7
  text "-" at 76.276,110.922 h0.7
  text "-" at 67.609,110.862 h0.7
  text "S.Bus out" at 69.609,109.762 h0.7
  text "P" at 117.809,109.662 h0.7
  text "M" at 117.809,108.462 h0.7
  text "-" at 67.609,108.322 h0.7
  text "ASI" at 127.422,108.179 h0.7 r90
  text "1" at 76.109,108.062 h0.7
  text "-" at 117.709,107.262 h0.7
  text "+" at 126.109,107.162 h0.7
  text "CAN" at 135.959,106.761 h0.7 r90
  text "Bz" at 117.009,106.162 h0.7
  text "+" at 134.459,105.933 h0.7
  text "ADC" at 125.209,105.898 h0.7
  text "-" at 67.609,105.782 h0.7
  text "-" at 76.109,105.262 h0.7
  text "-" at 125.959,104.644 h0.7
  text "H 2" at 133.709,104.487 h0.7
  text "Led" at 117.209,103.762 h0.7
  text "L 2" at 133.709,103.287 h0.7
  text "-" at 67.609,103.242 h0.7
  text "V" at 77.209,102.262 h0.7
  text "-" at 134.459,102.033 h0.7
  text "-" at 67.609,100.702 h0.7
  text "I" at 77.209,100.262 h0.7
  text "I2C2" at 119.109,99.862 h0.7 r90
  text "Telem 1" at 126.909,99.262 h0.7 r90
  text "+" at 117.509,98.962 h0.7
  text "+" at 125.309,98.962 h0.7
  text "-" at 67.609,98.162 h0.7
  text "TX" at 125.109,97.662 h0.7
  text "SCL" at 116.959,97.562 h0.7
  text "+" at 76.109,97.362 h0.7
  text "CAN" at 135.959,97.236 h0.7 r90
  text "RX" at 125.109,96.462 h0.7
  text "+" at 134.459,96.408 h0.7
  text "SDA" at 116.959,96.262 h0.7
  text "-" at 67.609,95.622 h0.7
  text "CTS" at 125.109,95.262 h0.7
  text "-" at 117.509,95.062 h0.7
  text "H 1" at 133.709,94.962 h0.7
  text "RTS" at 125.209,93.962 h0.7
  text "L 1" at 133.709,93.762 h0.7
  text "-" at 67.609,93.082 h0.7
  text "-" at 125.409,92.662 h0.7
  text "-" at 134.459,92.508 h0.7
  text "2" at 76.109,91.662 h0.7
  text "-" at 67.609,90.542 h0.7
  text "GPS 1" at 118.972,89.937 h0.7 r90
  text "Type-A Connector" at 87.209,89.062 h0.7
  text "+" at 117.409,88.962 h0.7
  text "-" at 76.109,88.862 h0.7
  text "-" at 67.609,88.002 h0.7
  text "TX" at 116.659,87.662 h0.7
  text "GPS 2" at 127.459,87.32 h0.7 r90
  text "Telem 2" at 135.809,87.062 h0.7 r90
  text "+" at 133.809,86.379 h0.7
  text "RX" at 116.657,86.262 h0.7
  text "+" at 125.609,86.162 h0.7
  text "V" at 77.209,85.862 h0.7
  text "-" at 67.609,85.462 h0.7
  text "TX" at 133.609,85.079 h0.7
  text "TX" at 125.159,85.062 h0.7
  text "SCL" at 116.659,84.962 h0.7
  text "I" at 77.209,83.862 h0.7
  text "RX" at 125.257,83.862 h0.7
  text "RX" at 133.609,83.879 h0.7
  text "SDA" at 116.659,83.762 h0.7
  text "-" at 67.609,82.922 h0.7
  text "CTS" at 133.609,82.679 h0.7
  text "SFT" at 116.659,82.562 h0.7
  text "SCL" at 125.259,82.562 h0.7
  text "RTS" at 133.709,81.379 h0.7
  text "LED" at 116.659,81.362 h0.7
  text "SDA" at 125.259,81.262 h0.7
  text "+" at 76.109,80.962 h0.7
  text "-" at 67.609,80.382 h0.7
  text "-" at 133.909,80.079 h0.7
  text "-" at 117.509,80.062 h0.7
  text "-" at 125.709,79.862 h0.7
  text "I2C2" at 118.972,77.937 h0.7 r90
  text "I2C1" at 127.422,77.932 h0.7 r90
  text "-" at 67.609,77.842 h0.7
Bottom Overlay:
  circle w0.1: c76.911,29.388 r1.5
  circle w0.1: c46.914,59.385 r1.5
Mechanical 1:
  the board outline again, w0.1

## Text inside footprints (layer, text, board x,y; h text height)
P1: Mechanical 13 "PCB EDGE" at 153.854,105.698 h0.81 r90
P2: Mechanical 13 "PCB EDGE" at 57.728,84.77 h0.81 r270
P500: Top Overlay "Male" at 93.146,92.401 h1.97
PSM200: Bottom Overlay "IO and power PixHawk2" at 84.277,98.124 h0.7 r45; Bottom Overlay "POWER IN" at 74.117,96.394 h0.7 r90; Bottom Overlay "ALM" at 92.067,91.504 h0.7 r90; Bottom Overlay "VBUS" at 92.067,93.704 h0.7 r90; Bottom Overlay "P EN" at 92.067,95.504 h0.7 r90; Bottom Overlay "S EN" at 92.067,97.504 h0.7 r90; Bottom Overlay "P OC" at 92.067,99.504 h0.7 r90; Bottom Overlay "HP OC" at 92.067,102.104 h0.7 r90; Bottom Overlay "BUZZ" at 92.067,89.604 h0.7 r90; Bottom Overlay "GND" at 88.367,107.604 h0.7; Bottom Overlay "FMU_5V" at 86.767,82.504 h0.7; Bottom Overlay "A_OK" at 84.467,82.504 h0.7; Bottom Overlay "B_OK" at 82.467,82.504 h0.7; Bottom Overlay "U_OK" at 80.467,82.504 h0.7; Bottom Overlay "Servo_VIN" at 77.067,83.104 h0.7; Bottom Overlay "GND" at 88.367,82.504 h0.7; Bottom Overlay "5V HP" at 86.567,107.704 h0.7; Bottom Overlay "5v P" at 84.367,107.704 h0.7; Bottom Overlay "NC" at 80.067,107.697 h0.7; Bottom Overlay "5V RX" at 82.467,107.704 h0.7; Bottom Overlay "3v3 SPEK" at 77.067,107.004 h0.7; Bottom Overlay "IN_5V_USB" at 69.667,93.104 h0.7 r90; Bottom Overlay "IN_5V_B" at 69.667,97.004 h0.7 r90; Bottom Overlay "IN_5V_A" at 69.667,100.904 h0.7 r90; Bottom Overlay "3DR Part# PCA_0007" at 85.077,97.324 h0.7 r45